# KiCad board solenoidDecoder.kicad_pcb (continued)
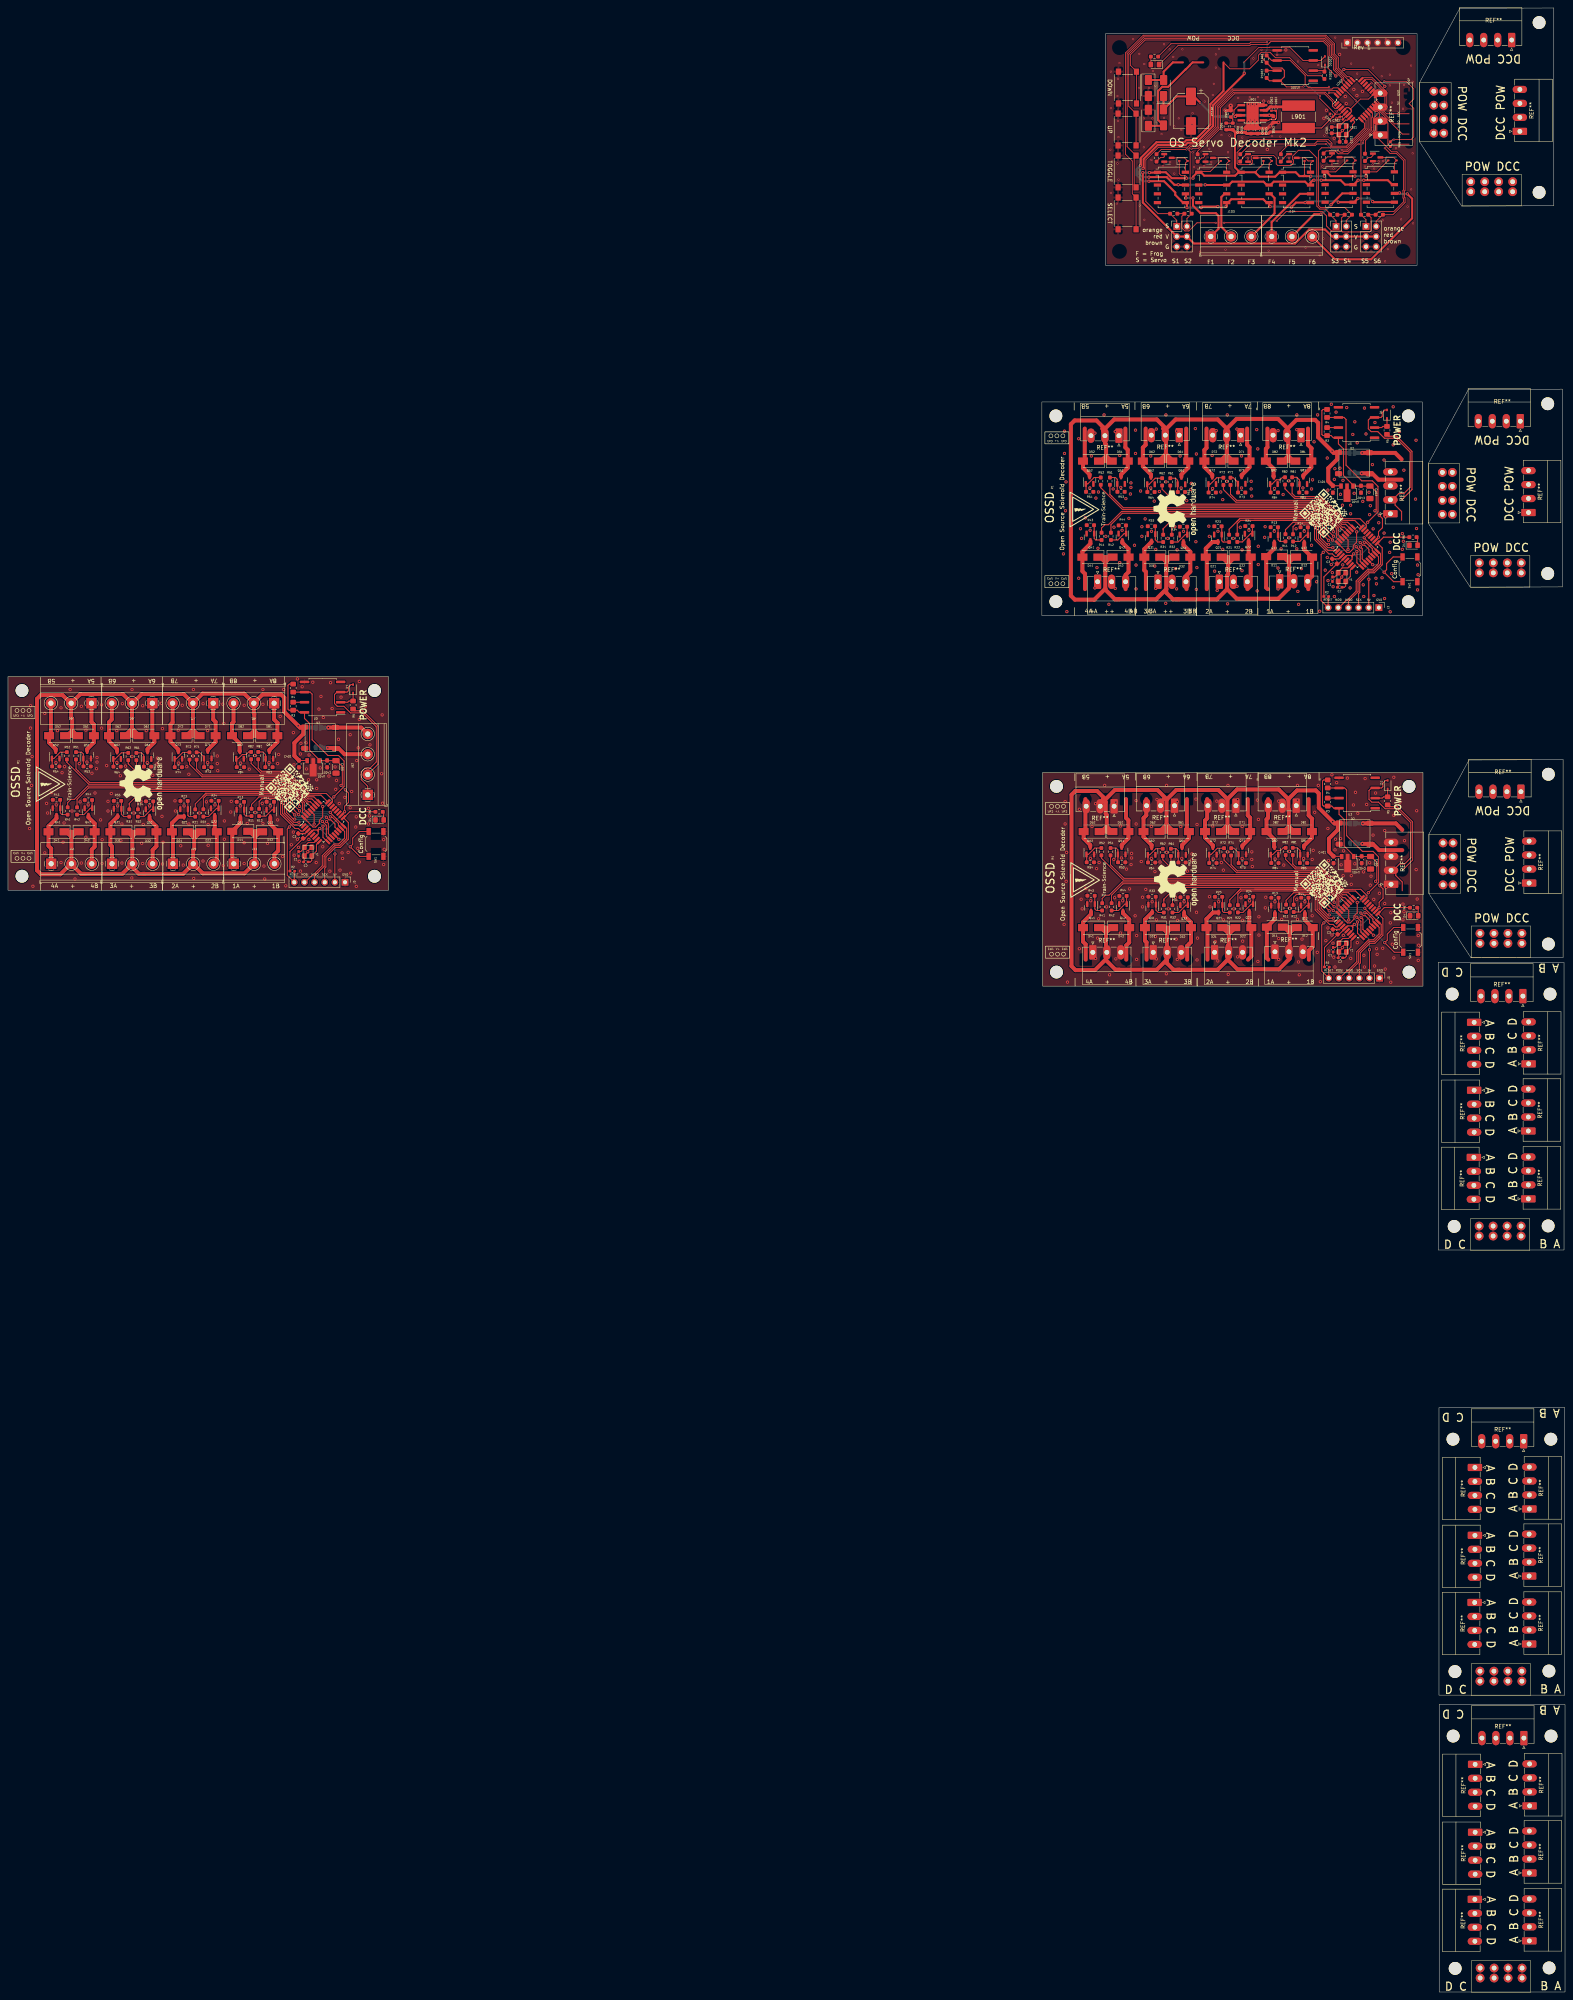
[diagram p0: board, top side]
## Placement (name value [footprint] x y rotation side) (continued)
R84#2  ~  [R_0603_1608Metric_Pad0.98x0.95mm_HandSolder]  317.18 282.64 180 top
R84#3  ~  [R_0603_1608Metric_Pad0.98x0.95mm_HandSolder]  58.18 306.64 180 top
R201  6k2  [R_0603_1608Metric_Pad0.98x0.95mm_HandSolder]  287.03 484.53 180 top
R202  10k  [R_0402_1005Metric_Pad0.72x0.64mm_HandSolder]  346.08 462.6 90 top
R701  10k  [R_0603_smalltext]  291.85 445.2 0 top
R702  10k  [R_0603_smalltext]  295.43 445.2 180 top
R703  1k5  [R_0603_smalltext]  287.53 459.17 90 top
R704  1k5  [R_0603_smalltext]  297.82 459.17 90 top
R801  10k  [R_0603_smalltext]  331.9 444.94 0 top
R802  10k  [R_0603_smalltext]  335.56 444.94 180 top
R803  1k5  [R_0603_smalltext]  308.49 459.17 90 top
R804  1k5  [R_0603_smalltext]  318.65 459.17 90 top
R901  220k  [R_0603_1608Metric]  304.98 467.04 90 top
R902  20k  [R_0603_1608Metric]  306.12 470.22 90 top
R903  150k  [R_0603_1608Metric]  306.63 467.04 270 top
R904  10k  [R_0603_smalltext]  339.63 444.94 0 top
R905  10k  [R_0603_smalltext]  343.31 444.94 180 top
R906  1k5  [R_0603_smalltext]  329.37 459.36 90 top
R907  1k5  [R_0603_smalltext]  339.73 459.3 90 top
R1001  1k  [R_0603_smalltext]  329.58 479.85 90 top
R1002  10k  [R_0603_smalltext]  315.1 480.1 90 top
R1003  10k  [R_0603_smalltext]  315.1 483.91 90 top
REF**  -  [connector_3.50mm_4P horizontal_MALE]  373.77 265.03 0 top
REF**#2  -  [PhoenixContact_MC_1,5_4-G-3.5_1x04_P3.50mm_Horizontal]  366.99 208.95 270 top
REF**#3  -  [PhoenixContact_MC_1,5_4-G-3.5_1x04_P3.50mm_Horizontal]  367.06 242.75 270 top
REF**#4  -  [PhoenixContact_MC_1,5_4-G-3.5_1x04_P3.50mm_Horizontal]  367.06 225.75 270 top
REF**#5  -  [MountingHole_3.2mm_M3]  383.32 450.54 270 top
REF**#6  -  [connector_3.50mm_4P horizontal_MALE]  359.45 470.61 270 top
REF**#7  -  [PhoenixContact_MC_1,5_4-G-3.5_1x04_P3.50mm_Horizontal]  378.77 300.49 180 top
REF**#8  -  [MountingHole_3.2mm_M3]  385.83 6.04 0 top
REF**#9  -  [PhoenixContact_MC_1,5_4-G-3.5_1x04_P3.50mm_Horizontal]  380.89 120.93 90 top
REF**#10  -  [MountingHole_3.2mm_M3]  385.48 355.12 270 top
REF**#11  -  [MountingHole_3.2mm_M3]  361.81 64.07 0 top
REF**#12  -  [PhoenixContact_MC_1,5_4-G-3.5_1x04_P3.50mm_Horizontal]  367.31 40 270 top
REF**#13  -  [PhoenixContact_MC_1,5_3-G-3.5_1x03_P3.50mm_Horizontal]  287.91 353.05 0 top
REF**#14  -  [PhoenixContact_MC_1,5_3-G-3.5_1x03_P3.50mm_Horizontal]  318.38 353.18 0 top
REF**#15  -  [PhoenixContact_MC_1,5_4-G-3.5_1x04_P3.50mm_Horizontal]  380.82 87.13 90 top
REF**#16  -  [connector_3.50mm_4P horizontal_MALE]  361.77 282.43 270 top
REF**#17  -  [PhoenixContact_MC_1,5_4-G-3.5_1x04_P3.50mm_Horizontal]  367.19 97.52 270 top
REF**#18  -  [PhoenixContact_MC_1,5_3-G-3.5_1x03_P3.50mm_Horizontal]  302.08 260.28 0 top
REF**#19  -  [MountingHole_3.2mm_M3]  91.75 325.82 0 top
REF**#20  -  [PhoenixContact_MC_1,5_3-G-3.5_1x03_P3.50mm_Horizontal]  303.27 353.05 0 top
REF**#21  -  [PhoenixContact_MC_1,5_4-G-3.5_1x04_P3.50mm_Horizontal]  380.87 29.81 90 top
REF**#22  -  [MountingHole_3.2mm_M3]  383.32 493.04 270 top
REF**#23  -  [MountingHole_3.2mm_M3]  362.06 191.66 0 top
REF**#24  -  [OSHW-Logo2_14.6x12mm_SilkScreen]  292.31 371.33 90 top
REF**#25  -  [MountingHole_3.2mm_M3]  385.48 397.62 270 top
REF**#26  -  [PhoenixContact_MC_1,5_3-G-3.5_1x03_P3.50mm_Horizontal]  272.79 353.05 0 top
REF**#27  -  [PhoenixContact_MC_1,5_4-G-3.5_1x04_P3.50mm_Horizontal]  380.69 232.36 90 top
REF**#28  -  [MountingHole_3.2mm_M3]  262.5 301.82 0 top
REF**#29  -  [PhoenixContact_MC_1,5_4-G-3.5_1x04_P3.50mm_Horizontal]  379.5 63.57 180 top
REF**#30  -  [connector_3.50mm_4P horizontal_MALE]  373.56 191.75 0 top
REF**#31  -  [PhoenixContact_MC_1,5_4-G-3.5_1x04_P3.50mm_Horizontal]  367.25 114.32 270 top
REF**#32  -  [MountingHole_3.2mm_M3]  361.75 138.4 0 top
REF**#33  -  [MountingHole_3.2mm_M3]  3.5 325.82 0 top
REF**#34  -  [MountingHole_3.2mm_M3]  262.34 348.09 0 top
REF**#35  -  [MountingHole_3.2mm_M3]  91.75 279.32 0 top
REF**#36  -  [PhoenixContact_MC_1,5_3-G-3.5_1x03_P3.50mm_Horizontal]  323.72 389.75 180 top
REF**#37  -  [PhoenixContact_MC_1,5_3-G-3.5_1x03_P3.50mm_Horizontal]  322.52 296.99 180 top
REF**#38  -  [PhoenixContact_MC_1,5_4-G-3.5_1x04_P3.50mm_Horizontal]  367.25 131.32 270 top
REF**#39  -  [connector_3.50mm_4P horizontal_MALE]  373.75 80.32 0 top
REF**#40  -  [MountingHole_3.2mm_M3]  3.5 279.34 0 top
REF**#41  -  [PhoenixContact_MC_1,5_4-G-3.5_1x04_P3.50mm_Horizontal]  346.09 370.08 90 top
REF**#42  -  [MountingHole_3.2mm_M3]  385.59 191.79 0 top
REF**#43  -  [MountingHole_3.2mm_M3]  385.64 262.36 270 top
REF**#44  -  [PhoenixContact_MC_1,5_4-G-3.5_1x04_P3.50mm_Horizontal]  378.61 393.25 180 top
REF**#45  -  [PhoenixContact_MC_1,5_4-G-3.5_1x04_P3.50mm_Horizontal]  346.25 277.32 90 top
REF**#46  -  [PhoenixContact_MC_1,5_4-G-3.5_1x04_P3.50mm_Horizontal]  376.45 488.67 180 top
REF**#47  -  [PhoenixContact_MC_1,5_4-G-3.5_1x04_P3.50mm_Horizontal]  380.87 12.81 90 top
REF**#48  -  [PhoenixContact_MC_1,5_4-G-3.5_1x04_P3.50mm_Horizontal]  367.24 23.19 270 top
REF**#49  -  [PhoenixContact_MC_1,5_4-G-3.5_1x04_P3.50mm_Horizontal]  380.82 104.13 90 top
REF**#50  -  [PhoenixContact_MC_1,5_3-G-3.5_1x03_P3.50mm_Horizontal]  271.6 260.28 0 top
REF**#51  -  [OSHW-Logo2_14.6x12mm_SilkScreen]  292.47 278.58 90 top
REF**#52  -  [PhoenixContact_MC_1,5_4-G-3.5_1x04_P3.50mm_Horizontal]  378.5 465.81 90 top
REF**#53  -  [MountingHole_3.2mm_M3]  362.31 5.91 0 top
REF**#54  -  [PhoenixContact_MC_1,5_4-G-3.5_1x04_P3.50mm_Horizontal]  380.66 370.38 90 top
REF**#55  -  [PhoenixContact_MC_1,5_4-G-3.5_1x04_P3.50mm_Horizontal]  343.54 464.88 90 top
REF**#56  -  [PhoenixContact_MC_1,5_4-G-3.5_1x04_P3.50mm_Horizontal]  380.94 46.61 90 top
REF**#57  -  [MountingHole_3.2mm_M3]  350.59 348.08 0 top
REF**#58  -  [PhoenixContact_MC_1,5_4-G-3.5_1x04_P3.50mm_Horizontal]  380.63 198.56 90 top
REF**#59  -  [PhoenixContact_MC_1,5_3-G-3.5_1x03_P3.50mm_Horizontal]  292.04 296.99 180 top
REF**#60  -  [MountingHole_3.2mm_M3]  350.59 394.58 0 top
REF**#61  -  [MountingHole_3.2mm_M3]  386.06 249.83 0 top
REF**#62  -  [connector_3.50mm_4P horizontal_MALE]  361.61 375.18 270 top
REF**#63  -  [MountingHole_3.2mm_M3]  262.5 255.34 0 top
REF**#64  -  [MountingHole_3.2mm_M3]  361.56 249.83 0 top
REF**#65  -  [PhoenixContact_MC_1,5_3-G-3.5_1x03_P3.50mm_Horizontal]  308.61 389.75 180 top
REF**#66  -  [MountingHole_3.2mm_M3]  386.31 64.07 0 top
REF**#67  -  [MountingHole_3.2mm_M3]  386.25 138.4 0 top
REF**#68  -  [PhoenixContact_MC_1,5_4-G-3.5_1x04_P3.50mm_Horizontal]  367.31 57 270 top
REF**#69  -  [PhoenixContact_MC_1,5_3-G-3.5_1x03_P3.50mm_Horizontal]  278.13 389.63 180 top
REF**#70  -  [PhoenixContact_MC_1,5_3-G-3.5_1x03_P3.50mm_Horizontal]  276.93 296.86 180 top
REF**#71  -  [MountingHole_3.2mm_M3]  350.75 255.32 0 top
REF**#72  -  [PhoenixContact_MC_1,5_3-G-3.5_1x03_P3.50mm_Horizontal]  293.24 389.75 180 top
REF**#73  -  [connector_3.50mm_4P horizontal_MALE]  371.45 453.2 0 top
REF**#74  -  [MountingHole_3.2mm_M3]  350.75 301.82 0 top
REF**#75  -  [MountingHole_3.2mm_M3]  385.64 304.86 270 top
REF**#76  -  [PhoenixContact_MC_1,5_3-G-3.5_1x03_P3.50mm_Horizontal]  286.71 260.28 0 top
REF**#77  -  [OSHW-Logo2_14.6x12mm_SilkScreen]  33.47 302.58 90 top
REF**#78  -  [PhoenixContact_MC_1,5_4-G-3.5_1x04_P3.50mm_Horizontal]  380.82 277.63 90 top
REF**#79  -  [MountingHole_3.2mm_M3]  362.25 80.23 0 top
REF**#80  -  [MountingHole_3.2mm_M3]  262.34 394.58 0 top
REF**#81  -  [connector_3.50mm_4P horizontal_MALE]  373.61 357.78 0 top
REF**#82  -  [MountingHole_3.2mm_M3]  385.78 80.36 0 top
REF**#83  -  [PhoenixContact_MC_1,5_4-G-3.5_1x04_P3.50mm_Horizontal]  379.45 137.89 180 top
REF**#84  -  [PhoenixContact_MC_1,5_3-G-3.5_1x03_P3.50mm_Horizontal]  307.41 296.99 180 top
REF**#85  -  [connector_3.50mm_4P horizontal_MALE]  373.81 6 0 top
REF**#86  -  [PhoenixContact_MC_1,5_4-G-3.5_1x04_P3.50mm_Horizontal]  380.63 215.56 90 top
REF**#87  -  [PhoenixContact_MC_1,5_4-G-3.5_1x04_P3.50mm_Horizontal]  379.25 249.32 180 top
REF**#88  -  [PhoenixContact_MC_1,5_3-G-3.5_1x03_P3.50mm_Horizontal]  317.19 260.41 0 top
SW1  SW_SPST  [SW_SPST_SKQG_WithStem]  350.98 356.17 90 top
SW1#2  SW_SPST  [SW_SPST_SKQG_WithStem]  92.14 287.41 90 top
SW1#3  SW_SPST  [SW_SPST_SKQG_WithStem]  351.15 263.41 90 top
SW601  SW_Push  [tactile_SMD_6mm]  280.17 445.27 90 top
SW602  SW_Push  [tactile_SMD_6mm]  280.17 455.77 90 top
SW603  SW_Push  [tactile_SMD_6mm]  280.17 466.27 90 top
SW604  SW_Push  [tactile_SMD_6mm]  280.27 476.77 90 top
U1  ATmega328-A  [TQFP-32_7x7mm_P0.8mm]  338 268.97 45 top
U1#2  ATmega328-A  [TQFP-32_7x7mm_P0.8mm]  337.84 361.73 45 top
U1#3  ATmega328-A  [TQFP-32_7x7mm_P0.8mm]  79 292.97 45 top
U3  6N137  [SOP-8_6.62x9.15mm_P2.54mm]  337.76 300.17 180 top
U3#2  6N137  [SOP-8_6.62x9.15mm_P2.54mm]  78.76 324.17 180 top
U3#3  6N137  [SOP-8_6.62x9.15mm_P2.54mm]  337.6 392.92 180 top
U202  ATmega328-A  [TQFP-32_7x7mm_P0.8mm]  337.64 473.75 45 top
U401  L78L05_SOT89  [SOT-89-3]  76.4 306.6 270 top
U401#2  L78L05_SOT89  [SOT-89-3]  335.4 282.6 270 top
U401#3  L78L05_SOT89  [SOT-89-3]  335.24 375.36 270 top
U901  MT2499A  [TI_SO-PowerPAD-8]  311.55 470.47 180 top
U1001  6N137  [SOP-8_6.62x9.15mm_P2.54mm]  322.25 482.28 180 top
Y1  Crystal_GND2  [crystal_arduino]  333.97 354.23 270 top
Y1#2  Crystal_GND2  [crystal_arduino]  334.13 261.48 270 top
Y1#3  Crystal_GND2  [crystal_arduino]  75.13 285.48 270 top
Y201  Crystal_GND2  [crystal_arduino#2]  334.33 466.02 270 top

## Library data of the parts
C1 C2#2 = -: Description: Unpolarized capacitor; JLCPCB Part#: C1547; ki_fp_filters: C_*
C1#2 C1#3 C2 C2#3 = -: Description: Unpolarized capacitor; JLCPCB Part#: C1547
C3 C3#3 C402#2 C402#3 = -: Description: Unpolarized capacitor; JLCPCB Part#: C14663
C3#2 C402 = -: Description: Unpolarized capacitor; JLCPCB Part#: C14663; ki_fp_filters: C_*
C201 C203 = -: Description: Unpolarized capacitor; JLCPCB Part#: C38523
C202 C204 = -: JLCPCB Part#: C307331
C401 = -: Description: Unpolarized capacitor; JLCPCB Part#: C1615; ki_fp_filters: C_*
C401#2 C401#3 = -: Description: Unpolarized capacitor; JLCPCB Part#: C1615
C403 C403#3 = -: Description: Unpolarized capacitor; JLCPCB Part#: C15008
C403#2 = -: Description: Unpolarized capacitor; JLCPCB Part#: C15008; ki_fp_filters: C_*
C901 C904 C905 = -: Description: Unpolarized capacitor; JLCPCB Part#: C45783
C902 C906 = -: Description: Unpolarized capacitor; JLCPCB Part#: C307331
C903 = -: Description: Unpolarized capacitor; JLCPCB Part#: C1532
C1101 = -: Description: Polarized capacitor; JLCPCB Part#: C7471888
D1 D1#2 = -: Description: Diode; JLCPCB Part#: C2128
D1#3 = -: Description: Diode; JLCPCB Part#: C2128; ki_fp_filters: TO-???* *_Diode_* *SingleDiode* D_*
D2 = -: Description: Diode bridge, +ve/-ve/AC/AC; JLCPCB Part#: C169511; ki_fp_filters: D*Bridge* D*Rectifier*
D2#2 D2#3 = -: Description: Diode bridge, +ve/-ve/AC/AC; JLCPCB Part#: C169511
D4 D4#2 D201 = -: Description: Light emitting diode; JLCPCB Part#: C84256
D4#3 = -: Description: Light emitting diode; JLCPCB Part#: C84256; ki_fp_filters: LED* LED_SMD:* LED_THT:*
D11 D12#3 D21#2 D22#2 D31 D32 D41#2 D42#3 D51 D52#2 D61#2 D62#2 D71#3 D72#2 D81 D82#3 = -: Description: Diode; JLCPCB Part#: C8678; ki_fp_filters: TO-???* *_Diode_* *SingleDiode* D_*
D11#2 D11#3 D12 D12#2 D21 D21#3 D22 D22#3 D31#2 D31#3 D32#2 D32#3 D41 D41#3 D42 D42#2 D51#2 D51#3 D52 D52#3 D61 D61#3 D62 D62#3 D71 D71#2 D72 D72#3 D81#2 D81#3 D82 D82#2 = -: Description: Diode; JLCPCB Part#: C8678
D701 D702 D801 D802 D901 D902 D1001 = -: Description: 75V 0.15A Fast switching Diode, SOD-323; JLCPCB Part#: C2128; Sim.Device: D; Sim.Pins: 1=K 2=A
D1101-D1104 = -: Description: Diode; JLCPCB Part#: C8678; Sim.Device: D; Sim.Pins: 1=K 2=A
J3 J3#3 J201 = -: Description: Generic connector, single row, 01x06, script generated
J3#2 = -: Description: Generic connector, single row, 01x06, script generated; ki_fp_filters: Connector*:*_1x??_*
J11 J21 J31 J41 J51 J61 J71 J81 = -: Description: Generic screw terminal, single row, 01x03, script generated (kicad-library-utils/schlib/autogen/connector/)
J62 = -: Description: Generic screw terminal, single row, 01x04, script generated (kicad-library-utils/schlib/autogen/connector/); ki_fp_filters: TerminalBlock*:*
J103 J104 = -: Description: Generic screw terminal, single row, 01x03, script generated (kicad-library-utils/schlib/autogen/connector/); JLCPCB Part#: C395869
J701 J801 J901 = -: Description: Generic connector, double row, 02x03, odd/even pin numbering scheme (row 1 odd numbers, row 2 even numbers), script generated (kicad-library-utils/schlib/autogen/connector/); JLCPCB Part#: C65114
JP1 JP2 = -: Description: Solder Jumper, 2-pole, open; ki_fp_filters: SolderJumper*Open*
JP1#2 JP1#3 JP2#2 JP2#3 = -: Description: Solder Jumper, 2-pole, open
K701 K702 K801 K802 K901 K902 = -: Description: Miniature 2-pole relay, Single-side Stable; JLCPCB Part#: C47190
L901 = -: Description: Inductor; JLCPCB Part#: C2929438
Q11 Q12#3 Q21#2 Q22#2 Q31#2 Q32#3 Q41 Q42 Q51 Q52 Q61 Q62#3 Q71#2 Q72#3 Q81 Q82 = -: Description: 30V Vds, 5.7A Id, N-Channel MOSFET, SOT-23; JLCPCB Part#: C20917; ki_fp_filters: SOT?23*
Q11#2 Q11#3 Q12 Q12#2 Q21 Q21#3 Q22 Q22#3 Q31 Q31#3 Q32 Q32#2 Q41#2 Q41#3 Q42#2 Q42#3 Q51#2 Q51#3 Q52#2 Q52#3 Q61#2 Q61#3 Q62 Q62#2 Q71 Q71#3 Q72 Q72#2 Q81#2 Q81#3 Q82#2 Q82#3 = -: Description: 30V Vds, 5.7A Id, N-Channel MOSFET, SOT-23; JLCPCB Part#: C20917
Q701 Q702 Q801 Q802 Q901 Q902 = -: Description: 0.6A Ic, 160V Vce, NPN Transistor, SOT-23; JLCPCB Part#: C2145
R2 R2#3 R202 = -: Description: Resistor; JLCPCB Part#: C25744
R2#2 = -: Description: Resistor; JLCPCB Part#: C25744; ki_fp_filters: R_*
R3 R3#3 R4#2 R4#3 = -: Description: Resistor; JLCPCB Part#: C17414
R3#2 R4 = -: Description: Resistor; JLCPCB Part#: C17414; ki_fp_filters: R_*
R5 R5#3 = -: Description: Resistor; JLCPCB Part#: C17513
R5#2 = -: Description: Resistor; JLCPCB Part#: C17513; ki_fp_filters: R_*
R6 R6#3 R201 = -: Description: Resistor; JLCPCB Part#: C4260
R6#2 = -: Description: Resistor; JLCPCB Part#: C4260; ki_fp_filters: R_*
R11 R11#2 R12 R12#2 R21 R21#3 R22 R22#2 R31#2 R31#3 R32 R32#3 R41 R41#3 R42#2 R42#3 R51 R51#2 R52 R52#2 R61#2 R61#3 R62#2 R62#3 R71#2 R71#3 R72 R72#3 R81 R81#2 R82 R82#3 = -: Description: Resistor; JLCPCB Part#: C23345
R11#3 R12#3 R21#2 R22#3 R31 R32#2 R41#2 R42 R51#3 R52#3 R61 R62 R71 R72#2 R81#3 R82#2 = -: Description: Resistor; JLCPCB Part#: C23345; ki_fp_filters: R_*
R13 R13#2 R14#2 R14#3 R23#2 R23#3 R24#2 R24#3 R33 R33#3 R34 R34#2 R43#2 R43#3 R44 R44#2 R53#2 R53#3 R54 R54#2 R63 R63#3 R64 R64#2 R73 R73#3 R74 R74#3 R83#2 R83#3 R84 R84#2 = -: Description: Resistor; JLCPCB Part#: C25804
R13#3 R14 R23 R24 R33#2 R34#3 R43 R44#3 R53 R54#3 R63#2 R64#3 R73#2 R74#2 R83 R84#3 = -: Description: Resistor; JLCPCB Part#: C25804; ki_fp_filters: R_*
R701 R702 R801 R802 R904 R905 R1002 R1003 = -: JLCPCB Part#: C25804
R703 R704 R803 R804 R906 R907 = -: JLCPCB Part#: C22843
R901 = -: Description: Resistor; JLCPCB Part#: C22961
R902 = -: Description: Resistor; JLCPCB Part#: C4328
R903 = -: Description: Resistor; JLCPCB Part#: C22807
R1001 = -: JLCPCB Part#: C21190
SW1 SW1#2 SW1#3 = -: Description: Single Pole Single Throw (SPST) switch; JLCPCB Part#: C318884
SW601-SW604 = -: Description: Push button switch, generic, two pins; JLCPCB Part#: C294567
U1 U1#2 U202 = -: Description: 20MHz, 32kB Flash, 2kB SRAM, 1kB EEPROM, TQFP-32; JLCPCB Part#: C14877
U1#3 = -: Description: 20MHz, 32kB Flash, 2kB SRAM, 1kB EEPROM, TQFP-32; JLCPCB Part#: C14877; ki_fp_filters: TQFP*7x7mm*P0.8mm*
U3 U3#3 U1001 = -: Description: Single High Speed LSTTL/TTL Compatible Optocoupler with enable, dV/dt 1000/us, VCM 10, max 7V VCC, DIP-8; JLCPCB Part#: C110020
U3#2 = -: Description: Single High Speed LSTTL/TTL Compatible Optocoupler with enable, dV/dt 1000/us, VCM 10, max 7V VCC, DIP-8; JLCPCB Part#: C110020; ki_fp_filters: DIP*W7.62mm*
U401 = -: Description: Positive 100mA 30V Linear Regulator, Fixed Output 5V, SOT-89; JLCPCB Part#: C71136; ki_fp_filters: SOT?89*
U401#2 U401#3 = -: Description: Positive 100mA 30V Linear Regulator, Fixed Output 5V, SOT-89; JLCPCB Part#: C71136
U901 = -: JLCPCB Part#: C3007555
Y1 Y1#2 Y201 = -: Description: Three pin crystal, GND on pin 2; JLCPCB Part#: C13738
Y1#3 = -: Description: Three pin crystal, GND on pin 2; JLCPCB Part#: C13738; ki_fp_filters: Crystal*

## Footprints (pads in the part's own frame, mm; a bottom-side part is the same pattern mirrored in y, then rotated)
4A rectifier
  rrect 1.8x1.275 smd: 1(-3.9,2.663) 2(-3.9,-2.638) 3(3.8,-2.7) 4(3.8,2.6)
C_0402_1005Metric
  rrect 0.56x0.62 smd: 1(-0.48,0) 2(0.48,0)
C_0402_1005Metric_Pad0.74x0.62mm_HandSolder
  rrect 0.735x0.62 smd: 1(-0.568,0) 2(0.568,0)
C_0603_1608Metric
  rrect 0.9x0.95 smd: 1(-0.775,0) 2(0.775,0)
C_0603_1608Metric_Pad1.08x0.95mm_HandSolder
  rrect 1.075x0.95 smd: 1(-0.863,0) 2(0.863,0)
C_1206_3216Metric_Pad1.33x1.80mm_HandSolder
  rrect 1.325x1.8 smd: 1(-1.562,0) 2(1.562,0)
connector_3.50mm_4P horizontal_MALE
  round 2.2 hole 1.2: 1(-5.25,0) 1(-5.25,-2.5) 2(-1.75,0) 2(-1.75,-2.5) 3(1.75,0) 3(1.75,-2.5) 4(5.25,0) 4(5.25,-2.5)
CP_Elec_8x10.5
  rrect 4.4x2.5 smd: 1(-3.7,0) 2(3.7,0)
crystal_arduino
  rrect 1.4x1.2 smd: 1(-1.1,-0.95) 2(1.1,-0.95) 3(1.1,0.95) 4(-1.1,0.95)
crystal_arduino#2
  rrect 1.4x1.2 smd: 1(-1.15,-1.17) 2(1.05,-1.17) 3(1.05,0.73) 4(-1.15,0.73)
D_SMA
  rect 2.5x1.8 smd: 1(-2,0) 2(2,0)
D_SMA#2
  rrect 2.5x1.8 smd: 1(-2,0) 2(2,0)
D_SOD-323
  rect 0.6x0.45 smd: 1(-1.05,0) 2(1.05,0)
D_SOD-323#2
  rrect 0.6x0.45 smd: 1(-1.05,0) 2(1.05,0)
L_Bourns-SRN8040_8x8.15mm
  rect 2.6x8.2 smd: 1(-2.8,0) 2(2.8,0)
LED_0805_2012Metric_Pad1.15x1.40mm_HandSolder
  rrect 1.15x1.4 smd: 1(-1.025,0) 2(1.025,0)
MountingHole_3.2mm_M3
  round 3.2 hole 3.2 unplated: (0,0)
PhoenixContact_MC_1,5_3-G-3.5_1x03_P3.50mm_Horizontal
  rrect 1.8x3.6 hole 1.2: 1(0,0)
  oval 1.8x3.6 hole 1.2: 2(3.5,0) 3(7,0)
PhoenixContact_MC_1,5_4-G-3.5_1x04_P3.50mm_Horizontal
  rrect 1.8x3.6 hole 1.2: 1(0,0)
  oval 1.8x3.6 hole 1.2: 2(3.5,0) 3(7,0) 4(10.5,0)
PinHeader_1x06_P2.54mm_Vertical
  rect 1.7x1.7 hole 1: 1(0,0)
  oval 1.7x1.7 hole 1: 2(0,-2.54) 3(0,-5.08) 4(0,-7.62) 5(0,-10.16) 6(0,-12.7)
PinHeader_2x03_P2.54mm_Vertical
  rect 1.7x1.7 hole 1: 1(0,0)
  oval 1.7x1.7 hole 1: 2(2.54,0) 3(0,-2.54) 4(2.54,-2.54) 5(0,-5.08) 6(2.54,-5.08)
R_0402_1005Metric_Pad0.72x0.64mm_HandSolder
  rrect 0.715x0.64 smd: 1(-0.598,0) 2(0.598,0)
R_0603_1608Metric
  rrect 0.8x0.95 smd: 1(-0.825,0) 2(0.825,0)
R_0603_1608Metric_Pad0.98x0.95mm_HandSolder
  rrect 0.975x0.95 smd: 1(-0.912,0) 2(0.912,0)
R_0603_smalltext
  rrect 0.975x0.95 smd: 1(-0.912,0) 2(0.912,0)
R_0805_2012Metric_Pad1.20x1.40mm_HandSolder
  rrect 1.2x1.4 smd: 1(-1,0) 2(1,0)
Relay_DPDT_Omron_G6K-2F-Y
  rect 1.8x0.8 smd: 1(-3.5,3.8) 2(-3.5,0.6) 3(-3.5,-1.6) 4(-3.5,-3.8) 5(3.5,-3.8) 6(3.5,-1.6) 7(3.5,0.6) 8(3.5,3.8)
SolderJumper-2_P1.3mm_Open_RoundedPad1.0x1.5mm
  custom 1x1.5 smd: 1(-0.65,0) 2(0.65,0)
SOP-8_6.62x9.15mm_P2.54mm
  rrect 2.35x0.65 smd: 1(-4.525,3.81) 2(-4.525,1.27) 3(-4.525,-1.27) 4(-4.525,-3.81) 5(4.525,-3.81) 6(4.525,-1.27) 7(4.525,1.27) 8(4.525,3.81)
SOT-23
  rrect 1.475x0.6 smd: 1(-0.938,0.95) 2(-0.938,-0.95) 3(0.938,0)
SOT-89-3
  rect 1.3x0.9 smd: 1(-1.65,1.5) 3(-1.65,-1.5)
  custom 4.6x1.733 smd: 2(-1.562,0)
SW_SPST_SKQG_WithStem
  rect 1.8x1.1 smd: 1(-3.1,1.85) 1(3.1,1.85) 2(-3.1,-1.85) 2(3.1,-1.85)
tactile_SMD_6mm
  rect 1.55x1.3 smd: 1(-3.975,2.25) 1(3.975,2.25) 2(-3.975,-2.25) 2(3.975,-2.25)
TerminalBlock_Phoenix_MKDS-1,5-3-5.08_1x03_P5.08mm_Horizontal
  rect 2.6x2.6 hole 1.3: 1(0,0)
  round 2.6 hole 1.3: 2(5.08,0) 3(10.16,0)
TerminalBlock_Phoenix_MKDS-1,5-4-5.08_1x04_P5.08mm_Horizontal
  rect 2.6x2.6 hole 1.3: 1(0,0)
  round 2.6 hole 1.3: 2(5.08,0) 3(10.16,0) 4(15.24,0)
TI_SO-PowerPAD-8
  rect 1.91x0.61 smd: 1(-2.78,1.905) 2(-2.78,0.635) 3(-2.78,-0.635) 4(-2.78,-1.905) 5(2.78,-1.905) 6(2.78,-0.635) 7(2.78,0.635) 8(2.78,1.905)
  rect 1.205x1.55 smd: 9(-0.603,0.775) 9(-0.603,-0.775) 9(0.603,0.775) 9(0.603,-0.775)
TQFP-32_7x7mm_P0.8mm
  rect 1.6x0.55 smd: 1(-4.25,2.8) 2(-4.25,2) 3(-4.25,1.2) 4(-4.25,0.4) 5(-4.25,-0.4) 6(-4.25,-1.2) 7(-4.25,-2) 8(-4.25,-2.8) 17(4.25,-2.8) 18(4.25,-2) 19(4.25,-1.2) 20(4.25,-0.4) 21(4.25,0.4) 22(4.25,1.2) 23(4.25,2) 24(4.25,2.8)
  rect 0.55x1.6 smd: 9(-2.8,-4.25) 10(-2,-4.25) 11(-1.2,-4.25) 12(-0.4,-4.25) 13(0.4,-4.25) 14(1.2,-4.25) 15(2,-4.25) 16(2.8,-4.25) 25(2.8,4.25) 26(2,4.25) 27(1.2,4.25) 28(0.4,4.25) 29(-0.4,4.25) 30(-1.2,4.25) 31(-2,4.25) 32(-2.8,4.25)

## Nets
+5V: C3.2 C3#2.2 C3#3.2 C402.1 C402#2.1 C402#3.1 C403.1 C403#2.1 C403#3.1 J3.2 J3#2.2 J3#3.2 R2.1 R2#2.1 R2#3.1 R3.1 R3#2.1 R3#3.1 R4.1 R4#2.1 R4#3.1 U1.4 U1.6 U1.18 U1#2.4 U1#2.6 U1#2.18 U1#3.4 U1#3.6 U1#3.18 U3.8 U3#2.8 U3#3.8 U401.1 U401#2.1 U401#3.1
/POWER/Vin1: D2.4 D2#2.4 D2#3.4 J62.4 JP1.1 JP1#2.1 JP1#3.1
/POWER/Vin2: D2.3 D2#2.3 D2#3.3 J62.3 JP2.2 JP2#2.2 JP2#3.2
GND: C1.1 C1#2.1 C1#3.1 C2.1 C2#2.1 C2#3.1 C3.1 C3#2.1 C3#3.1 C201.1 C202.2 C203.1 C204.2 C401.2 C401#2.2 C401#3.2 C402.2 C402#2.2 C402#3.2 C403.2 C403#2.2 C403#3.2 C901.2 C904.2 C905.2 C906.2 C1101.2 D2.2 D2#2.2 D2#3.2 D4.1 D4#2.1 D4#3.1 D1102.2 D1104.2 J3.1 J3#2.1 J3#3.1 J201.1 J701.5 J701.6 J801.5 J801.6 J901.5 J901.6 JP2.1 JP2#2.1 JP2#3.1 Q11.2 Q11#2.2 Q11#3.2 Q12.2 Q12#2.2 Q12#3.2 Q21.2 Q21#2.2 Q21#3.2 Q22.2 Q22#2.2 Q22#3.2 Q31.2 Q31#2.2 Q31#3.2 Q32.2 Q32#2.2 Q32#3.2 Q41.2 Q41#2.2 Q41#3.2 Q42.2 Q42#2.2 Q42#3.2 Q51.2 Q51#2.2 Q51#3.2 Q52.2 Q52#2.2 Q52#3.2 Q61.2 Q61#2.2 Q61#3.2 Q62.2 Q62#2.2 Q62#3.2 Q71.2 Q71#2.2 Q71#3.2 Q72.2 Q72#2.2 Q72#3.2 Q81.2 Q81#2.2 Q81#3.2 Q82.2 Q82#2.2 Q82#3.2 Q701.2 Q702.2 Q801.2 Q802.2 Q901.2 Q902.2 R13.1 R13#2.1 R13#3.1 R14.1 R14#2.1 R14#3.1 R23.1 R23#2.1 R23#3.1 R24.1 R24#2.1 R24#3.1 R33.1 R33#2.1 R33#3.1 R34.1 R34#2.1 R34#3.1 R43.1 R43#2.1 R43#3.1 R44.1 R44#2.1 R44#3.1 R53.1 R53#2.1 R53#3.1 R54.1 R54#2.1 R54#3.1 R63.1 R63#2.1 R63#3.1 R64.1 R64#2.1 R64#3.1 R73.1 R73#2.1 R73#3.1 R74.1 R74#2.1 R74#3.1 R83.1 R83#2.1 R83#3.1 R84.1 R84#2.1 R84#3.1 R902.2 SW1.2 SW1#2.2 SW1#3.2 SW601.1 SW602.1 SW603.1 SW604.1 U1.3 U1.5 U1.21 U1#2.3 U1#2.5 U1#2.21 U1#3.3 U1#3.5 U1#3.21 U3.5 U3#2.5 U3#3.5 U202.3 U202.5 U202.21 U401.2 U401#2.2 U401#3.2 U901.4 U901.9 U1001.5 Y1.2 Y1.4 Y1#2.2 Y1#2.4 Y1#3.2 Y1#3.4 Y201.2 Y201.4
/DCC/DCC_A: J62.2 K701.5 K702.5 K801.5 K802.5 K901.5 K902.5 R5.1 R5#2.1 R5#3.1 R1001.1
/DCC/DCC_B: D1.2 D1#2.2 D1#3.2 D1001.2 J62.1 K701.7 K702.7 K801.7 K802.7 K901.7 K902.7 U3.3 U3#2.3 U3#3.3 U1001.3
/DCC/DCC_TTL: R4.2 R4#2.2 R4#3.2 R1003.2 U1.32 U1#2.32 U1#3.32 U3.6 U3#2.6 U3#3.6 U202.32 U1001.6
/POWER/Vcoils: C401.1 C401#2.1 C401#3.1 D2.1 D2#2.1 D2#3.1 D11.1 D11#2.1 D11#3.1 D12.1 D12#2.1 D12#3.1 D21.1 D21#2.1 D21#3.1 D22.1 D22#2.1 D22#3.1 D31.1 D31#2.1 D31#3.1 D32.1 D32#2.1 D32#3.1 D41.1 D41#2.1 D41#3.1 D42.1 D42#2.1 D42#3.1 D51.1 D51#2.1 D51#3.1 D52.1 D52#2.1 D52#3.1 D61.1 D61#2.1 D61#3.1 D62.1 D62#2.1 D62#3.1 D71.1 D71#2.1 D71#3.1 D72.1 D72#2.1 D72#3.1 D81.1 D81#2.1 D81#3.1 D82.1 D82#2.1 D82#3.1 J11.2 J21.2 J31.2 J41.2 J51.2 J61.2 J71.2 J81.2 JP1.2 JP1#2.2 JP1#3.2 U401.3 U401#2.3 U401#3.3
/uController/GPIO1: R12.1 R12#2.1 R12#3.1 U1.2 U1#2.2 U1#3.2
/uController/GPIO2: R11.1 R11#2.1 R11#3.1 U1.1 U1#2.1 U1#3.1
/uController/GPIO3: R22.1 R22#2.1 R22#3.1 U1.9 U1#2.9 U1#3.9
/uController/GPIO4: R21.1 R21#2.1 R21#3.1 U1.10 U1#2.10 U1#3.10
/uController/GPIO5: R32.1 R32#2.1 R32#3.1 U1.11 U1#2.11 U1#3.11
/uController/GPIO6: R31.1 R31#2.1 R31#3.1 U1.14 U1#2.14 U1#3.14
/uController/GPIO7: J3.5 J3#2.5 J3#3.5 R42.1 R42#2.1 R42#3.1 U1.15 U1#2.15 U1#3.15
/uController/GPIO8: J3.4 J3#2.4 J3#3.4 R41.1 R41#2.1 R41#3.1 U1.16 U1#2.16 U1#3.16
/uController/GPIO9: R52.1 R52#2.1 R52#3.1 U1.31 U1#2.31 U1#3.31
/uController/GPIO10: R51.1 R51#2.1 R51#3.1 U1.30 U1#2.30 U1#3.30
/uController/GPIO11: R62.1 R62#2.1 R62#3.1 U1.28 U1#2.28 U1#3.28
/uController/GPIO12: R61.1 R61#2.1 R61#3.1 U1.27 U1#2.27 U1#3.27
/uController/GPIO13: R72.1 R72#2.1 R72#3.1 U1.26 U1#2.26 U1#3.26
/uController/GPIO14: R71.1 R71#2.1 R71#3.1 U1.25 U1#2.25 U1#3.25
/uController/GPIO15: R82.1 R82#2.1 R82#3.1 U1.24 U1#2.24 U1#3.24
/uController/GPIO16: R81.1 R81#2.1 R81#3.1 U1.23 U1#2.23 U1#3.23
/uController/LED: J3.3 J3#2.3 J3#3.3 R6.1 R6#2.1 R6#3.1 U1.17 U1#2.17 U1#3.17
/uController/RESET: J3.6 J3#2.6 J3#3.6 R2.2 R2#2.2 R2#3.2 U1.29 U1#2.29 U1#3.29
/uController/X1: C1.2 C1#2.2 C1#3.2 U1.7 U1#2.7 U1#3.7 Y1.1 Y1#2.1 Y1#3.1
/uController/X2: C2.2 C2#2.2 C2#3.2 U1.8 U1#2.8 U1#3.8 Y1.3 Y1#2.3 Y1#3.3
Net-(D1-K): D1.1 D1#2.1 D1#3.1 R5.2 R5#2.2 R5#3.2 U3.2 U3#2.2 U3#3.2
Net-(D4-A): D4.2 D4#2.2 D4#3.2 R6.2 R6#2.2 R6#3.2
Net-(D11-A): D11.2 D11#2.2 D11#3.2 J11.1 Q11.3 Q11#2.3 Q11#3.3
Net-(D12-A): D12.2 D12#2.2 D12#3.2 J11.3 Q12.3 Q12#2.3 Q12#3.3
Net-(D21-A): D21.2 D21#2.2 D21#3.2 J21.1 Q21.3 Q21#2.3 Q21#3.3
Net-(D22-A): D22.2 D22#2.2 D22#3.2 J21.3 Q22.3 Q22#2.3 Q22#3.3
Net-(D31-A): D31.2 D31#2.2 D31#3.2 J31.1 Q31.3 Q31#2.3 Q31#3.3
Net-(D32-A): D32.2 D32#2.2 D32#3.2 J31.3 Q32.3 Q32#2.3 Q32#3.3
Net-(D41-A): D41.2 D41#2.2 D41#3.2 J41.1 Q41.3 Q41#2.3 Q41#3.3
Net-(D42-A): D42.2 D42#2.2 D42#3.2 J41.3 Q42.3 Q42#2.3 Q42#3.3
Net-(D51-A): D51.2 D51#2.2 D51#3.2 J51.1 Q51.3 Q51#2.3 Q51#3.3
Net-(D52-A): D52.2 D52#2.2 D52#3.2 J51.3 Q52.3 Q52#2.3 Q52#3.3
Net-(D61-A): D61.2 D61#2.2 D61#3.2 J61.1 Q61.3 Q61#2.3 Q61#3.3
Net-(D62-A): D62.2 D62#2.2 D62#3.2 J61.3 Q62.3 Q62#2.3 Q62#3.3
Net-(D71-A): D71.2 D71#2.2 D71#3.2 J71.1 Q71.3 Q71#2.3 Q71#3.3
Net-(D72-A): D72.2 D72#2.2 D72#3.2 J71.3 Q72.3 Q72#2.3 Q72#3.3
Net-(D81-A): D81.2 D81#2.2 D81#3.2 J81.1 Q81.3 Q81#2.3 Q81#3.3
Net-(D82-A): D82.2 D82#2.2 D82#3.2 J81.3 Q82.3 Q82#2.3 Q82#3.3
Net-(Q11-G): Q11.1 Q11#2.1 Q11#3.1 R11.2 R11#2.2 R11#3.2 R13.2 R13#2.2 R13#3.2
Net-(Q12-G): Q12.1 Q12#2.1 Q12#3.1 R12.2 R12#2.2 R12#3.2 R14.2 R14#2.2 R14#3.2
Net-(Q21-G): Q21.1 Q21#2.1 Q21#3.1 R21.2 R21#2.2 R21#3.2 R23.2 R23#2.2 R23#3.2
Net-(Q22-G): Q22.1 Q22#2.1 Q22#3.1 R22.2 R22#2.2 R22#3.2 R24.2 R24#2.2 R24#3.2
Net-(Q31-G): Q31.1 Q31#2.1 Q31#3.1 R31.2 R31#2.2 R31#3.2 R33.2 R33#2.2 R33#3.2
Net-(Q32-G): Q32.1 Q32#2.1 Q32#3.1 R32.2 R32#2.2 R32#3.2 R34.2 R34#2.2 R34#3.2
Net-(Q41-G): Q41.1 Q41#2.1 Q41#3.1 R41.2 R41#2.2 R41#3.2 R43.2 R43#2.2 R43#3.2
Net-(Q42-G): Q42.1 Q42#2.1 Q42#3.1 R42.2 R42#2.2 R42#3.2 R44.2 R44#2.2 R44#3.2
Net-(Q51-G): Q51.1 Q51#2.1 Q51#3.1 R51.2 R51#2.2 R51#3.2 R53.2 R53#2.2 R53#3.2
Net-(Q52-G): Q52.1 Q52#2.1 Q52#3.1 R52.2 R52#2.2 R52#3.2 R54.2 R54#2.2 R54#3.2
Net-(Q61-G): Q61.1 Q61#2.1 Q61#3.1 R61.2 R61#2.2 R61#3.2 R63.2 R63#2.2 R63#3.2
Net-(Q62-G): Q62.1 Q62#2.1 Q62#3.1 R62.2 R62#2.2 R62#3.2 R64.2 R64#2.2 R64#3.2
Net-(Q71-G): Q71.1 Q71#2.1 Q71#3.1 R71.2 R71#2.2 R71#3.2 R73.2 R73#2.2 R73#3.2
Net-(Q72-G): Q72.1 Q72#2.1 Q72#3.1 R72.2 R72#2.2 R72#3.2 R74.2 R74#2.2 R74#3.2
Net-(Q81-G): Q81.1 Q81#2.1 Q81#3.1 R81.2 R81#2.2 R81#3.2 R83.2 R83#2.2 R83#3.2
Net-(Q82-G): Q82.1 Q82#2.1 Q82#3.1 R82.2 R82#2.2 R82#3.2 R84.2 R84#2.2 R84#3.2
Net-(SW1-A): SW1.1 SW1#2.1 SW1#3.1 U1.12 U1#2.12 U1#3.12
Net-(U3-EN): R3.2 R3#2.2 R3#3.2 U3.7 U3#2.7 U3#3.7

Pads without a net: C201 2; C202 1; C203 2; C204 1; C901 1; C902 1 2; C903 1 2; C904 1; C905 1; C906 1; C1101 1; D201 1 2; D701 1 2; D702 1 2; D801 1 2; D802 1 2; D901 1 2; D902 1 2; D1001 1; D1101 1 2; D1102 1; D1103 1 2; D1104 1; J103 1 2 3; J104 1 2 3; J201 2 3 4 5 6; J701 1 2 3 4; J801 1 2 3 4; J901 1 2 3 4; K701 1 2 3 4 6 8; K702 1 2 3 4 6 8; K801 1 2 3 4 6 8; K802 1 2 3 4 6 8; K901 1 2 3 4 6 8; K902 1 2 3 4 6 8; L901 1 2; Q701 1 3; Q702 1 3; Q801 1 3; Q802 1 3; Q901 1 3; Q902 1 3; R201 1 2; R202 1 2; R701 1 2; R702 1 2; R703 1 2; R704 1 2; R801 1 2; R802 1 2; R803 1 2; R804 1 2; R901 1 2; R902 1; R903 1 2; R904 1 2; R905 1 2; R906 1 2; R907 1 2; R1001 2; R1002 1 2; R1003 1; REF** 1 2 3 4; REF**#2 1 2 3 4; REF**#3 1 2 3 4; REF**#4 1 2 3 4; REF**#6 1 2 3 4; REF**#7 1 2 3 4; REF**#9 1 2 3 4; REF**#12 1 2 3 4; REF**#13 1 2 3; REF**#14 1 2 3; REF**#15 1 2 3 4; REF**#16 1 2 3 4; REF**#17 1 2 3 4; REF**#18 1 2 3; REF**#20 1 2 3; REF**#21 1 2 3 4; REF**#26 1 2 3; REF**#27 1 2 3 4; REF**#29 1 2 3 4; REF**#30 1 2 3 4; REF**#31 1 2 3 4; REF**#36 1 2 3; REF**#37 1 2 3; REF**#38 1 2 3 4; REF**#39 1 2 3 4; REF**#41 1 2 3 4; REF**#44 1 2 3 4; REF**#45 1 2 3 4; REF**#46 1 2 3 4; REF**#47 1 2 3 4; REF**#48 1 2 3 4; REF**#49 1 2 3 4; REF**#50 1 2 3; REF**#52 1 2 3 4; REF**#54 1 2 3 4; REF**#55 1 2 3 4; REF**#56 1 2 3 4; REF**#58 1 2 3 4; REF**#59 1 2 3; REF**#62 1 2 3 4; REF**#65 1 2 3; REF**#68 1 2 3 4; REF**#69 1 2 3; REF**#70 1 2 3; REF**#72 1 2 3; REF**#73 1 2 3 4; REF**#76 1 2 3; REF**#78 1 2 3 4; REF**#81 1 2 3 4; REF**#83 1 2 3 4; REF**#84 1 2 3; REF**#85 1 2 3 4; REF**#86 1 2 3 4; REF**#87 1 2 3 4; REF**#88 1 2 3; SW601 2; SW602 2; SW603 2; SW604 2; U1 13 19 20 22; U1#2 13 19 20 22; U1#3 13 19 20 22; U3 1 4; U3#2 1 4; U3#3 1 4; U202 1 2 4 6 7 8 9 10 11 12 13 14 15 16 17 18 19 20 22 23 24 25 26 27 28 29 30 31; U901 1 2 3 5 6 7 8; U1001 1 2 4 7 8; Y201 1 3

## Via types
v1: diameter 0.5, hole 0.3, Top to Bottom, 141 vias
v2: diameter 0.8, hole 0.4, Top to Bottom, 744 vias

## Routing (per net, layer and track width the routed paths; a pad name or vN(x,y) marks a point on that pad's centre or on a via; arc(x,y) is an arc through that point)
+5V: length 259.6
  Top w0.25: C403.1 341.35,284.26 ; C403.1 341.11,284.25 U401#2.1 336.9,284.5 334.51,286.89 334.51,293.56 333.24,294.83 U3.8 331.94,296.36 331.4,296.9 R3#3.1 329.37,296.9 329.09,297.17 329.09,303.14 329.39,303.44 R4#2.1 ; C403.1 341.27,284.26 342.69,282.84 342.69,278.38 v2(342.38,278.07) ; 336.67,266.51 336.67,265.94 U1.6 ; 336.67,266.51 336.67,266.89 ; 336.67,266.51 336.67,266.64 336.41,266.89 ; R2.1 329.43,354.26 C3.2 333.11,357.56 U1#2.4 334.59,359 335.24,359.65 336.25,359.65 ; 77.41,290.89 77.67,290.64 77.67,290.51 ; 77.41,290.89 77.67,290.89 ; 77.41,290.89 76.4,290.89 75.75,290.25 U1#3.4 74.27,288.81 C3#2.2 70.59,285.5 R2#2.1 ; U1#3.18 83.42,294.61 v2(84.27,295.46) 84.27,296.84 85.25,297.82 85.25,300.15 v2(84.45,300.95) ; v2(342.22,370.82) 342.53,371.13 342.53,375.59 341.11,377.02 C403#3.1 ; 336.41,266.89 335.4,266.89 334.75,266.25 U1.4 333.27,264.81 C3#3.2 329.59,261.5 R2#3.1 ; 336.41,266.89 336.67,266.89 ; v2(78.05,291.27) 77.67,290.89 ; 77.67,290.89 77.67,290.51 ; v2(340.86,260.92) 340.83,260.9 J3.2 ; v2(336.89,360.03) 336.51,359.65 ; 336.51,359.65 336.51,359.27 ; 336.51,359.65 336.25,359.65 ; 336.51,359.27 336.51,359.39 336.25,359.65 ; 336.51,359.27 336.51,358.69 U1#2.6 ; 336.67,266.89 v2(337.05,267.27) ; C403#2.1 82.27,308.26 83.69,306.84 83.69,302.38 v2(83.38,302.07) ; C403#2.1 82.35,308.26 ; C403#2.1 82.11,308.25 U401.1 77.9,308.5 75.51,310.89 75.51,317.56 74.24,318.83 U3#2.8 72.94,320.36 72.4,320.9 R3#2.1 70.37,320.9 70.09,321.17 70.09,327.14 70.39,327.44 R4.1 ; C403#3.1 340.95,377.01 U401#3.1 336.74,377.26 334.35,379.65 334.35,386.32 333.08,387.59 U3#3.8 331.78,389.11 331.24,389.65 R3.1 329.21,389.65 328.93,389.93 328.93,395.9 329.23,396.19 R4#3.1 ; C403#3.1 341.18,377.02 ; U1#2.18 342.26,363.37 v2(343.11,364.22) 343.11,365.59 344.09,366.58 344.09,368.91 v2(343.29,369.71) ; 77.67,290.51 77.67,289.94 U1#3.6 ; J3#2.2 81.83,284.9 v2(81.86,284.92) ; v2(343.45,276.95) 344.25,276.15 344.25,273.82 343.27,272.84 v2(343.27,271.46) 342.42,270.61 U1.18 ; v2(340.7,353.68) 340.67,353.65 J3#3.2
  Bottom w0.25: 340.67,353.65 v2(340.7,353.68) 340.67,353.7 340.67,356.24 v2(336.89,360.03) 337.01,359.9 338.79,359.9 v2(343.11,364.22) ; v2(84.27,295.46) 79.95,291.15 78.18,291.15 v2(78.05,291.27) 81.83,287.49 81.83,284.95 v2(81.86,284.92) 81.83,284.9 ; 340.83,260.9 v2(340.86,260.92) 340.83,260.95 340.83,263.49 v2(337.05,267.27) 337.18,267.15 338.95,267.15 v2(343.27,271.46) ; v2(343.45,276.95) 343.45,277 v2(342.38,278.07) ; v2(84.45,300.95) 84.45,301 v2(83.38,302.07) ; v2(342.22,370.82) 343.29,369.75 v2(343.29,369.71)
